# KiCad board rcbus-ymf262-panel.kicad_pcb (continued)
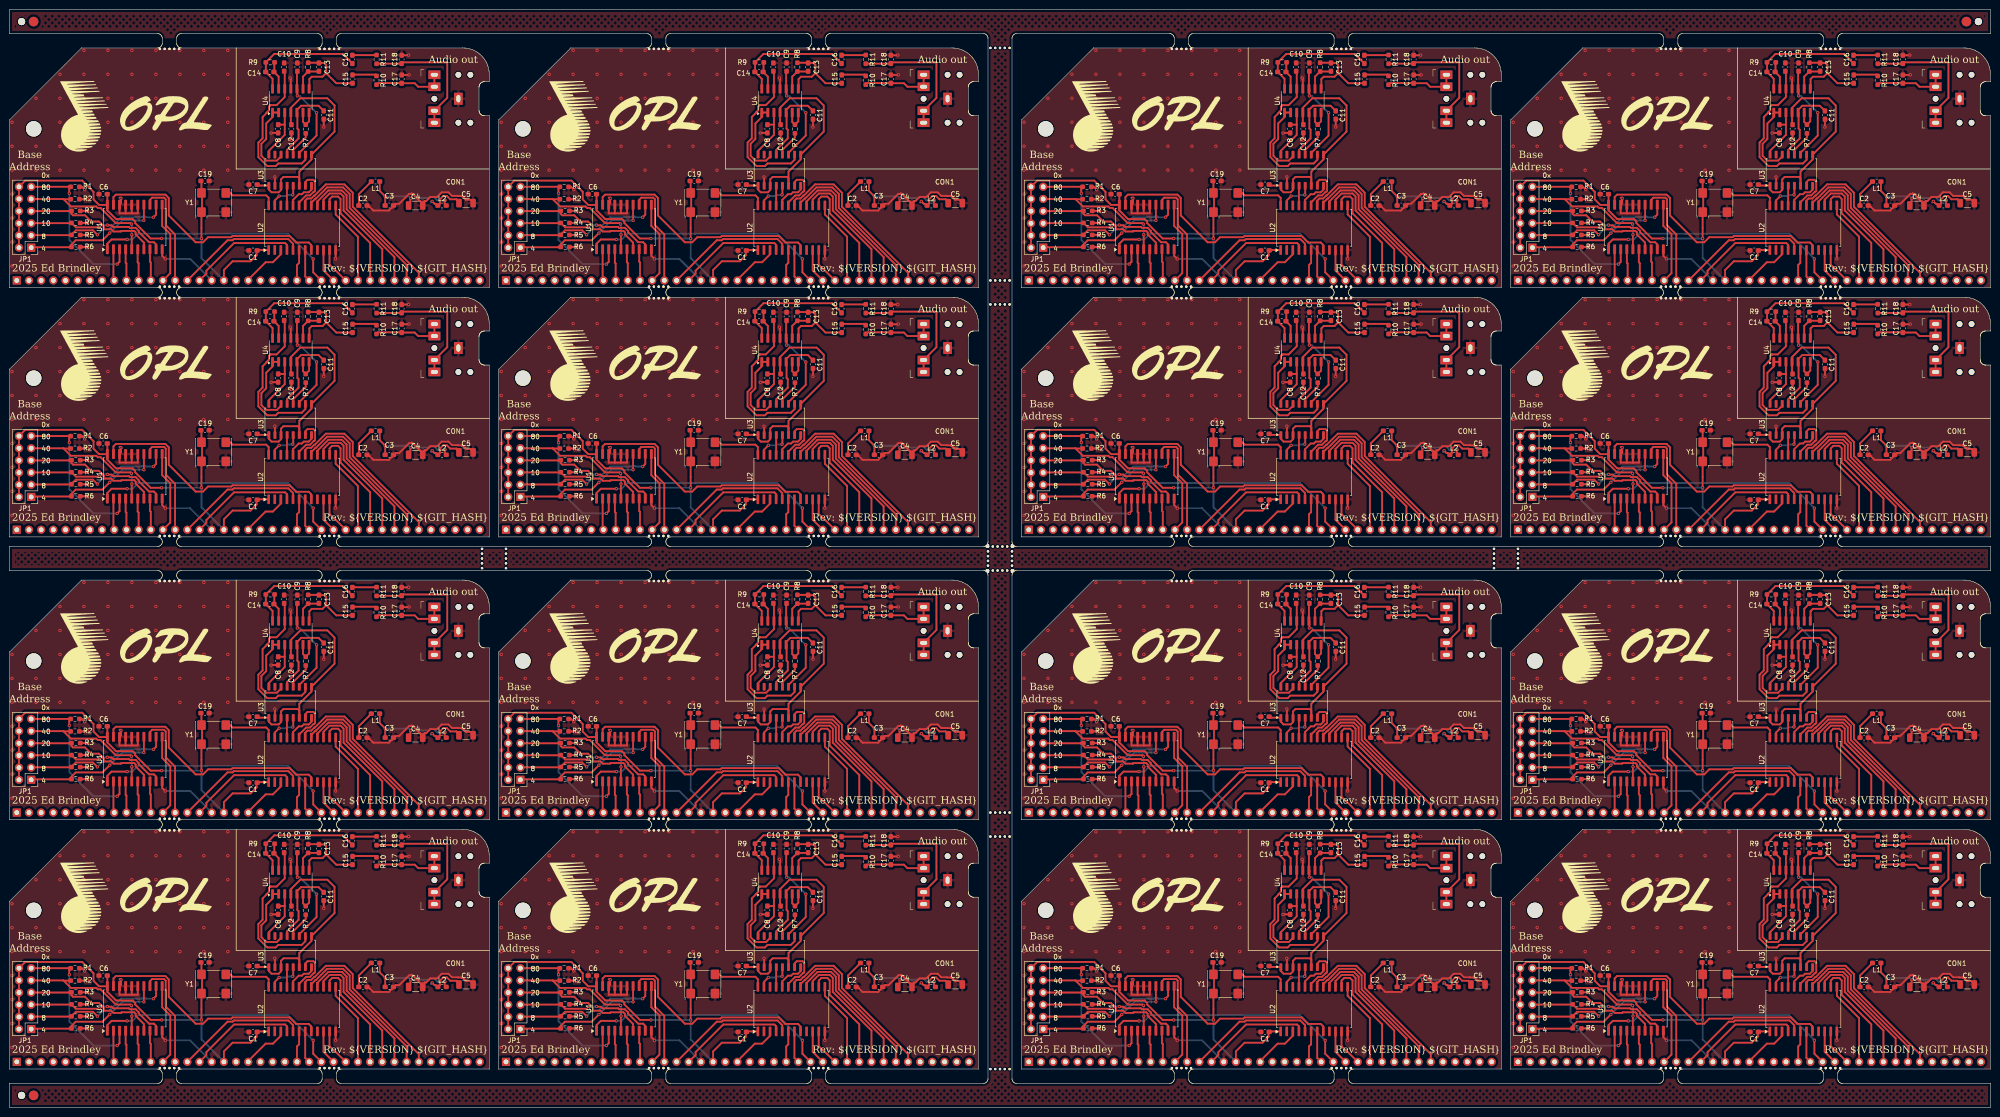
[diagram p0: board, top side]
## Nets
Board_0-+5VA: C5.1 C7.1 C12#11.1 L2#15.1 U3#12.1 U3#12.3 U3#12.6 U3#12.9 U4#15.4
Board_0-/A0: P1.16 U2#11.4
Board_0-/A1: P1.15 U2#11.5
Board_0-/A2: P1.14 U1#2.13
Board_0-/A3: P1.13 U1#2.11
Board_0-/A4: P1.12 U1#2.8
Board_0-/A5: P1.11 U1#2.6
Board_0-/A6: P1.10 U1#2.4
Board_0-/A7: P1.9 U1#2.2
Board_0-/AUDIO_CH1: C10#11.1 U3#12.10 U4#15.12
Board_0-/AUDIO_CH2: C9#9.1 U3#12.11 U4#15.10
Board_0-/CLK: U2#11.24 Y1#9.3
Board_0-/D0: P1.27 U2#11.10
Board_0-/D1: P1.28 U2#11.11
Board_0-/D2: P1.29 U2#11.13
Board_0-/D3: P1.30 U2#11.14
Board_0-/D4: P1.31 U2#11.15
Board_0-/D5: P1.32 U2#11.16
Board_0-/D6: P1.33 U2#11.17
Board_0-/D7: P1.34 U2#11.18
Board_0-/DAC_CLK: U2#11.23 U3#12.5
Board_0-/DOAB: U2#11.21 U3#12.4
Board_0-/L: C13#4.1 C15#8.1 R8#15.2 U4#15.8
Board_0-/R: C14.2 C16#13.1 R9.2 U4#15.14
Board_0-/SMPAC: U2#11.20 U3#12.8
Board_0-/SMPBD: U2#11.19 U3#12.7
Board_0-/~{CS}: U1#2.19 U2#11.8
Board_0-/~{INT}: P1.22
Board_0-/~{IORQ}: P1.26 U1#2.1
Board_0-/~{RD}: P1.25 U2#11.7
Board_0-/~{RESET}: P1.20 U2#11.3
Board_0-/~{WR}: P1.24 U2#11.6
Board_0-GND: C1#6.2 C2#6.2 C3#3.2 C4#6.2 C5.2 C6#6.2 C7.2 C8#11.2 C9#9.2 C10#11.2 C11#8.2 C12#11.2 C17.2 C18#9.2 C19#13.2 CON1#12.S P1.17 R1#13.2 R2#13.2 R3#13.2 R4.2 R5#16.2 R6#13.2 U1#2.10 U1#2.15 U1#2.16 U1#2.17 U1#2.18 U2#11.12 U3#12.2 U4#15.11 Y1#9.2
Board_0-Net-(C3-Pad1): C3#3.1 C4#6.1 L1#14.1 L2#15.2
Board_0-Net-(C15-Pad2): C15#8.2 R10#11.1
Board_0-Net-(C16-Pad2): C16#13.2 R11#2.1
Board_0-Net-(C17-Pad1): C17.1 CON1#12.T CON1#12.TN R10#11.2
Board_0-Net-(C18-Pad1): C18#9.1 CON1#12.R CON1#12.RN R11#2.2
Board_0-Net-(JP1-Pin_1): JP1#13.1 R6#13.1 U1#2.14
Board_0-Net-(JP1-Pin_3): JP1#13.3 R5#16.1 U1#2.12
Board_0-Net-(JP1-Pin_5): JP1#13.5 R4.1 U1#2.9
Board_0-Net-(JP1-Pin_7): JP1#13.7 R3#13.1 U1#2.7
Board_0-Net-(JP1-Pin_9): JP1#13.9 R2#13.1 U1#2.5
Board_0-Net-(JP1-Pin_11): JP1#13.11 R1#13.1 U1#2.3
Board_0-Net-(U3-AOUT): C11#8.1 U3#12.13 U4#15.5
Board_0-Net-(U3-CV): C8#11.1 U3#12.16 U4#15.3
Board_0-Net-(U3-MP): U3#12.14 U4#15.1 U4#15.2
Board_0-Net-(U3-SWIN): R7#4.1 U3#12.12
Board_0-Net-(U4B--): R7#4.2 U4#15.6 U4#15.7
Board_0-Net-(U4C--): C13#4.2 R8#15.1 U4#15.9
Board_0-Net-(U4D--): C14.1 R9.1 U4#15.13
Board_0-unconnected-(P1-Pin_1-Pad1): P1.1
Board_0-unconnected-(P1-Pin_2-Pad2): P1.2
Board_0-unconnected-(P1-Pin_3-Pad3): P1.3
Board_0-unconnected-(P1-Pin_4-Pad4): P1.4
Board_0-unconnected-(P1-Pin_5-Pad5): P1.5
Board_0-unconnected-(P1-Pin_6-Pad6): P1.6
Board_0-unconnected-(P1-Pin_7-Pad7): P1.7
Board_0-unconnected-(P1-Pin_8-Pad8): P1.8
Board_0-unconnected-(P1-Pin_19-Pad19): P1.19
Board_0-unconnected-(P1-Pin_21-Pad21): P1.21
Board_0-unconnected-(P1-Pin_23-Pad23): P1.23
Board_0-unconnected-(P1-Pin_35-Pad35): P1.35
Board_0-unconnected-(P1-Pin_36-Pad36): P1.36
Board_0-unconnected-(P1-Pin_37-Pad37): P1.37
Board_0-unconnected-(P1-Pin_38-Pad38): P1.38
Board_0-unconnected-(P1-Pin_39-Pad39): P1.39
Board_0-unconnected-(U2-DOCD-Pad22): U2#11.22
Board_0-unconnected-(U2-TEST-Pad9): U2#11.9
Board_0-unconnected-(U2-~{IRQ}-Pad2): U2#11.2
Board_0-unconnected-(U3-TST2-Pad15): U3#12.15
Board_0-VCC: C1#6.1 C2#6.1 C6#6.1 C19#13.1 JP1#13.2 JP1#13.4 JP1#13.6 JP1#13.8 JP1#13.10 JP1#13.12 L1#14.2 P1.18 U1#2.20 U2#11.1 Y1#9.1 Y1#9.4
Board_1-+5VA: C5#3.1 C7#14.1 C12#8.1 L2#10.1 U3#7.1 U3#7.3 U3#7.6 U3#7.9 U4#14.4
Board_1-/A0: P1#7.16 U2#16.4
Board_1-/A1: P1#7.15 U2#16.5
Board_1-/A2: P1#7.14 U1#3.13
Board_1-/A3: P1#7.13 U1#3.11
Board_1-/A4: P1#7.12 U1#3.8
Board_1-/A5: P1#7.11 U1#3.6
Board_1-/A6: P1#7.10 U1#3.4
Board_1-/A7: P1#7.9 U1#3.2
Board_1-/AUDIO_CH1: C10#15.1 U3#7.10 U4#14.12
Board_1-/AUDIO_CH2: C9#5.1 U3#7.11 U4#14.10
Board_1-/CLK: U2#16.24 Y1#7.3
Board_1-/D0: P1#7.27 U2#16.10
Board_1-/D1: P1#7.28 U2#16.11
Board_1-/D2: P1#7.29 U2#16.13
Board_1-/D3: P1#7.30 U2#16.14
Board_1-/D4: P1#7.31 U2#16.15
Board_1-/D5: P1#7.32 U2#16.16
Board_1-/D6: P1#7.33 U2#16.17
Board_1-/D7: P1#7.34 U2#16.18
Board_1-/DAC_CLK: U2#16.23 U3#7.5
Board_1-/DOAB: U2#16.21 U3#7.4
Board_1-/L: C13#7.1 C15#6.1 R8#14.2 U4#14.8
Board_1-/R: C14#13.2 C16#16.1 R9#14.2 U4#14.14
Board_1-/SMPAC: U2#16.20 U3#7.8
Board_1-/SMPBD: U2#16.19 U3#7.7
Board_1-/~{CS}: U1#3.19 U2#16.8
Board_1-/~{INT}: P1#7.22
Board_1-/~{IORQ}: P1#7.26 U1#3.1
Board_1-/~{RD}: P1#7.25 U2#16.7
Board_1-/~{RESET}: P1#7.20 U2#16.3
Board_1-/~{WR}: P1#7.24 U2#16.6
Board_1-GND: C1#4.2 C2#8.2 C3#11.2 C4#9.2 C5#3.2 C6#11.2 C7#14.2 C8#2.2 C9#5.2 C10#15.2 C11#15.2 C12#8.2 C17#6.2 C18#10.2 C19#9.2 CON1#11.S P1#7.17 R1#11.2 R2#10.2 R3#5.2 R4#5.2 R5#3.2 R6#12.2 U1#3.10 U1#3.15 U1#3.16 U1#3.17 U1#3.18 U2#16.12 U3#7.2 U4#14.11 Y1#7.2
Board_1-Net-(C3-Pad1): C3#11.1 C4#9.1 L1#15.1 L2#10.2
Board_1-Net-(C15-Pad2): C15#6.2 R10#13.1
Board_1-Net-(C16-Pad2): C16#16.2 R11#7.1
Board_1-Net-(C17-Pad1): C17#6.1 CON1#11.T CON1#11.TN R10#13.2
Board_1-Net-(C18-Pad1): C18#10.1 CON1#11.R CON1#11.RN R11#7.2
Board_1-Net-(JP1-Pin_1): JP1#4.1 R6#12.1 U1#3.14
Board_1-Net-(JP1-Pin_3): JP1#4.3 R5#3.1 U1#3.12
Board_1-Net-(JP1-Pin_5): JP1#4.5 R4#5.1 U1#3.9
Board_1-Net-(JP1-Pin_7): JP1#4.7 R3#5.1 U1#3.7
Board_1-Net-(JP1-Pin_9): JP1#4.9 R2#10.1 U1#3.5
Board_1-Net-(JP1-Pin_11): JP1#4.11 R1#11.1 U1#3.3
Board_1-Net-(U3-AOUT): C11#15.1 U3#7.13 U4#14.5
Board_1-Net-(U3-CV): C8#2.1 U3#7.16 U4#14.3
Board_1-Net-(U3-MP): U3#7.14 U4#14.1 U4#14.2
Board_1-Net-(U3-SWIN): R7#7.1 U3#7.12
Board_1-Net-(U4B--): R7#7.2 U4#14.6 U4#14.7
Board_1-Net-(U4C--): C13#7.2 R8#14.1 U4#14.9
Board_1-Net-(U4D--): C14#13.1 R9#14.1 U4#14.13
Board_1-unconnected-(P1-Pin_1-Pad1): P1#7.1
Board_1-unconnected-(P1-Pin_2-Pad2): P1#7.2
Board_1-unconnected-(P1-Pin_3-Pad3): P1#7.3
Board_1-unconnected-(P1-Pin_4-Pad4): P1#7.4
Board_1-unconnected-(P1-Pin_5-Pad5): P1#7.5
Board_1-unconnected-(P1-Pin_6-Pad6): P1#7.6
Board_1-unconnected-(P1-Pin_7-Pad7): P1#7.7
Board_1-unconnected-(P1-Pin_8-Pad8): P1#7.8
Board_1-unconnected-(P1-Pin_19-Pad19): P1#7.19
Board_1-unconnected-(P1-Pin_21-Pad21): P1#7.21
Board_1-unconnected-(P1-Pin_23-Pad23): P1#7.23
Board_1-unconnected-(P1-Pin_35-Pad35): P1#7.35
Board_1-unconnected-(P1-Pin_36-Pad36): P1#7.36
Board_1-unconnected-(P1-Pin_37-Pad37): P1#7.37
Board_1-unconnected-(P1-Pin_38-Pad38): P1#7.38
Board_1-unconnected-(P1-Pin_39-Pad39): P1#7.39
Board_1-unconnected-(U2-DOCD-Pad22): U2#16.22
Board_1-unconnected-(U2-TEST-Pad9): U2#16.9
Board_1-unconnected-(U2-~{IRQ}-Pad2): U2#16.2
Board_1-unconnected-(U3-TST2-Pad15): U3#7.15
Board_1-VCC: C1#4.1 C2#8.1 C6#11.1 C19#9.1 JP1#4.2 JP1#4.4 JP1#4.6 JP1#4.8 JP1#4.10 JP1#4.12 L1#15.2 P1#7.18 U1#3.20 U2#16.1 Y1#7.1 Y1#7.4
Board_2-+5VA: C5#5.1 C7#3.1 C12#2.1 L2#4.1 U3#4.1 U3#4.3 U3#4.6 U3#4.9 U4.4
Board_2-/A0: P1#5.16 U2.4
Board_2-/A1: P1#5.15 U2.5
Board_2-/A2: P1#5.14 U1#14.13
Board_2-/A3: P1#5.13 U1#14.11
Board_2-/A4: P1#5.12 U1#14.8
Board_2-/A5: P1#5.11 U1#14.6
Board_2-/A6: P1#5.10 U1#14.4
Board_2-/A7: P1#5.9 U1#14.2
Board_2-/AUDIO_CH1: C10#12.1 U3#4.10 U4.12
Board_2-/AUDIO_CH2: C9#8.1 U3#4.11 U4.10
Board_2-/CLK: U2.24 Y1#2.3
Board_2-/D0: P1#5.27 U2.10
Board_2-/D1: P1#5.28 U2.11
Board_2-/D2: P1#5.29 U2.13
Board_2-/D3: P1#5.30 U2.14
Board_2-/D4: P1#5.31 U2.15
Board_2-/D5: P1#5.32 U2.16
Board_2-/D6: P1#5.33 U2.17
Board_2-/D7: P1#5.34 U2.18
Board_2-/DAC_CLK: U2.23 U3#4.5
Board_2-/DOAB: U2.21 U3#4.4
Board_2-/L: C13#12.1 C15.1 R8#2.2 U4.8
Board_2-/R: C14#2.2 C16#4.1 R9#4.2 U4.14
Board_2-/SMPAC: U2.20 U3#4.8
Board_2-/SMPBD: U2.19 U3#4.7
Board_2-/~{CS}: U1#14.19 U2.8
Board_2-/~{INT}: P1#5.22
Board_2-/~{IORQ}: P1#5.26 U1#14.1
Board_2-/~{RD}: P1#5.25 U2.7
Board_2-/~{RESET}: P1#5.20 U2.3
Board_2-/~{WR}: P1#5.24 U2.6
Board_2-GND: C1.2 C2#7.2 C3#10.2 C4#11.2 C5#5.2 C6#8.2 C7#3.2 C8#12.2 C9#8.2 C10#12.2 C11#7.2 C12#2.2 C17#13.2 C18#13.2 C19#7.2 CON1#5.S P1#5.17 R1#5.2 R2#8.2 R3#6.2 R4#8.2 R5#9.2 R6#4.2 U1#14.10 U1#14.15 U1#14.16 U1#14.17 U1#14.18 U2.12 U3#4.2 U4.11 Y1#2.2
Board_2-Net-(C3-Pad1): C3#10.1 C4#11.1 L1#5.1 L2#4.2
Board_2-Net-(C15-Pad2): C15.2 R10#3.1
Board_2-Net-(C16-Pad2): C16#4.2 R11#3.1
Board_2-Net-(C17-Pad1): C17#13.1 CON1#5.T CON1#5.TN R10#3.2
Board_2-Net-(C18-Pad1): C18#13.1 CON1#5.R CON1#5.RN R11#3.2
Board_2-Net-(JP1-Pin_1): JP1#10.1 R6#4.1 U1#14.14
Board_2-Net-(JP1-Pin_3): JP1#10.3 R5#9.1 U1#14.12
Board_2-Net-(JP1-Pin_5): JP1#10.5 R4#8.1 U1#14.9
Board_2-Net-(JP1-Pin_7): JP1#10.7 R3#6.1 U1#14.7
Board_2-Net-(JP1-Pin_9): JP1#10.9 R2#8.1 U1#14.5
Board_2-Net-(JP1-Pin_11): JP1#10.11 R1#5.1 U1#14.3
Board_2-Net-(U3-AOUT): C11#7.1 U3#4.13 U4.5
Board_2-Net-(U3-CV): C8#12.1 U3#4.16 U4.3
Board_2-Net-(U3-MP): U3#4.14 U4.1 U4.2
Board_2-Net-(U3-SWIN): R7#15.1 U3#4.12
Board_2-Net-(U4B--): R7#15.2 U4.6 U4.7
Board_2-Net-(U4C--): C13#12.2 R8#2.1 U4.9
Board_2-Net-(U4D--): C14#2.1 R9#4.1 U4.13
Board_2-unconnected-(P1-Pin_1-Pad1): P1#5.1
Board_2-unconnected-(P1-Pin_2-Pad2): P1#5.2
Board_2-unconnected-(P1-Pin_3-Pad3): P1#5.3
Board_2-unconnected-(P1-Pin_4-Pad4): P1#5.4
Board_2-unconnected-(P1-Pin_5-Pad5): P1#5.5
Board_2-unconnected-(P1-Pin_6-Pad6): P1#5.6
Board_2-unconnected-(P1-Pin_7-Pad7): P1#5.7
Board_2-unconnected-(P1-Pin_8-Pad8): P1#5.8
Board_2-unconnected-(P1-Pin_19-Pad19): P1#5.19
Board_2-unconnected-(P1-Pin_21-Pad21): P1#5.21
Board_2-unconnected-(P1-Pin_23-Pad23): P1#5.23
Board_2-unconnected-(P1-Pin_35-Pad35): P1#5.35
Board_2-unconnected-(P1-Pin_36-Pad36): P1#5.36
Board_2-unconnected-(P1-Pin_37-Pad37): P1#5.37
Board_2-unconnected-(P1-Pin_38-Pad38): P1#5.38
Board_2-unconnected-(P1-Pin_39-Pad39): P1#5.39
Board_2-unconnected-(U2-DOCD-Pad22): U2.22
Board_2-unconnected-(U2-TEST-Pad9): U2.9
Board_2-unconnected-(U2-~{IRQ}-Pad2): U2.2
Board_2-unconnected-(U3-TST2-Pad15): U3#4.15
Board_2-VCC: C1.1 C2#7.1 C6#8.1 C19#7.1 JP1#10.2 JP1#10.4 JP1#10.6 JP1#10.8 JP1#10.10 JP1#10.12 L1#5.2 P1#5.18 U1#14.20 U2.1 Y1#2.1 Y1#2.4
Board_3-+5VA: C5#8.1 C7#12.1 C12#3.1 L2#6.1 U3#3.1 U3#3.3 U3#3.6 U3#3.9 U4#9.4
Board_3-/A0: P1#12.16 U2#7.4
Board_3-/A1: P1#12.15 U2#7.5
Board_3-/A2: P1#12.14 U1#5.13
Board_3-/A3: P1#12.13 U1#5.11
Board_3-/A4: P1#12.12 U1#5.8
Board_3-/A5: P1#12.11 U1#5.6
Board_3-/A6: P1#12.10 U1#5.4
Board_3-/A7: P1#12.9 U1#5.2
Board_3-/AUDIO_CH1: C10#7.1 U3#3.10 U4#9.12
Board_3-/AUDIO_CH2: C9#15.1 U3#3.11 U4#9.10
Board_3-/CLK: U2#7.24 Y1#14.3
Board_3-/D0: P1#12.27 U2#7.10
Board_3-/D1: P1#12.28 U2#7.11
Board_3-/D2: P1#12.29 U2#7.13
Board_3-/D3: P1#12.30 U2#7.14
Board_3-/D4: P1#12.31 U2#7.15
Board_3-/D5: P1#12.32 U2#7.16
Board_3-/D6: P1#12.33 U2#7.17
Board_3-/D7: P1#12.34 U2#7.18
Board_3-/DAC_CLK: U2#7.23 U3#3.5
Board_3-/DOAB: U2#7.21 U3#3.4
Board_3-/L: C13#13.1 C15#7.1 R8#5.2 U4#9.8
Board_3-/R: C14#11.2 C16#10.1 R9#12.2 U4#9.14
Board_3-/SMPAC: U2#7.20 U3#3.8
Board_3-/SMPBD: U2#7.19 U3#3.7
Board_3-/~{CS}: U1#5.19 U2#7.8
Board_3-/~{INT}: P1#12.22
Board_3-/~{IORQ}: P1#12.26 U1#5.1
Board_3-/~{RD}: P1#12.25 U2#7.7
Board_3-/~{RESET}: P1#12.20 U2#7.3
Board_3-/~{WR}: P1#12.24 U2#7.6
Board_3-GND: C1#15.2 C2#3.2 C3#13.2 C4#7.2 C5#8.2 C6#5.2 C7#12.2 C8.2 C9#15.2 C10#7.2 C11#10.2 C12#3.2 C17#7.2 C18#3.2 C19#2.2 CON1#6.S P1#12.17 R1#12.2 R2#4.2 R3#15.2 R4#2.2 R5#14.2 R6#5.2 U1#5.10 U1#5.15 U1#5.16 U1#5.17 U1#5.18 U2#7.12 U3#3.2 U4#9.11 Y1#14.2
Board_3-Net-(C3-Pad1): C3#13.1 C4#7.1 L1#10.1 L2#6.2
Board_3-Net-(C15-Pad2): C15#7.2 R10#14.1
Board_3-Net-(C16-Pad2): C16#10.2 R11#6.1
Board_3-Net-(C17-Pad1): C17#7.1 CON1#6.T CON1#6.TN R10#14.2
Board_3-Net-(C18-Pad1): C18#3.1 CON1#6.R CON1#6.RN R11#6.2
Board_3-Net-(JP1-Pin_1): JP1#15.1 R6#5.1 U1#5.14
Board_3-Net-(JP1-Pin_3): JP1#15.3 R5#14.1 U1#5.12
Board_3-Net-(JP1-Pin_5): JP1#15.5 R4#2.1 U1#5.9
Board_3-Net-(JP1-Pin_7): JP1#15.7 R3#15.1 U1#5.7
Board_3-Net-(JP1-Pin_9): JP1#15.9 R2#4.1 U1#5.5
Board_3-Net-(JP1-Pin_11): JP1#15.11 R1#12.1 U1#5.3
Board_3-Net-(U3-AOUT): C11#10.1 U3#3.13 U4#9.5
Board_3-Net-(U3-CV): C8.1 U3#3.16 U4#9.3
Board_3-Net-(U3-MP): U3#3.14 U4#9.1 U4#9.2
Board_3-Net-(U3-SWIN): R7#13.1 U3#3.12
Board_3-Net-(U4B--): R7#13.2 U4#9.6 U4#9.7
Board_3-Net-(U4C--): C13#13.2 R8#5.1 U4#9.9
Board_3-Net-(U4D--): C14#11.1 R9#12.1 U4#9.13
Board_3-unconnected-(P1-Pin_1-Pad1): P1#12.1
Board_3-unconnected-(P1-Pin_2-Pad2): P1#12.2
Board_3-unconnected-(P1-Pin_3-Pad3): P1#12.3
Board_3-unconnected-(P1-Pin_4-Pad4): P1#12.4
Board_3-unconnected-(P1-Pin_5-Pad5): P1#12.5
Board_3-unconnected-(P1-Pin_6-Pad6): P1#12.6
Board_3-unconnected-(P1-Pin_7-Pad7): P1#12.7
Board_3-unconnected-(P1-Pin_8-Pad8): P1#12.8
Board_3-unconnected-(P1-Pin_19-Pad19): P1#12.19
Board_3-unconnected-(P1-Pin_21-Pad21): P1#12.21
Board_3-unconnected-(P1-Pin_23-Pad23): P1#12.23
Board_3-unconnected-(P1-Pin_35-Pad35): P1#12.35
Board_3-unconnected-(P1-Pin_36-Pad36): P1#12.36
Board_3-unconnected-(P1-Pin_37-Pad37): P1#12.37
Board_3-unconnected-(P1-Pin_38-Pad38): P1#12.38
Board_3-unconnected-(P1-Pin_39-Pad39): P1#12.39
Board_3-unconnected-(U2-DOCD-Pad22): U2#7.22
Board_3-unconnected-(U2-TEST-Pad9): U2#7.9
Board_3-unconnected-(U2-~{IRQ}-Pad2): U2#7.2
Board_3-unconnected-(U3-TST2-Pad15): U3#3.15
Board_3-VCC: C1#15.1 C2#3.1 C6#5.1 C19#2.1 JP1#15.2 JP1#15.4 JP1#15.6 JP1#15.8 JP1#15.10 JP1#15.12 L1#10.2 P1#12.18 U1#5.20 U2#7.1 Y1#14.1 Y1#14.4
Board_4-+5VA: C5#2.1 C7#16.1 C12.1 L2#3.1 U3#15.1 U3#15.3 U3#15.6 U3#15.9 U4#5.4
Board_4-/A0: P1#16.16 U2#14.4
Board_4-/A1: P1#16.15 U2#14.5
Board_4-/A2: P1#16.14 U1#10.13
Board_4-/A3: P1#16.13 U1#10.11
Board_4-/A4: P1#16.12 U1#10.8
Board_4-/A5: P1#16.11 U1#10.6
Board_4-/A6: P1#16.10 U1#10.4
Board_4-/A7: P1#16.9 U1#10.2
Board_4-/AUDIO_CH1: C10#14.1 U3#15.10 U4#5.12
Board_4-/AUDIO_CH2: C9#3.1 U3#15.11 U4#5.10
Board_4-/CLK: U2#14.24 Y1#3.3
Board_4-/D0: P1#16.27 U2#14.10
Board_4-/D1: P1#16.28 U2#14.11
Board_4-/D2: P1#16.29 U2#14.13
Board_4-/D3: P1#16.30 U2#14.14
Board_4-/D4: P1#16.31 U2#14.15
Board_4-/D5: P1#16.32 U2#14.16
Board_4-/D6: P1#16.33 U2#14.17
Board_4-/D7: P1#16.34 U2#14.18
Board_4-/DAC_CLK: U2#14.23 U3#15.5
Board_4-/DOAB: U2#14.21 U3#15.4
Board_4-/L: C13#9.1 C15#13.1 R8#8.2 U4#5.8
Board_4-/R: C14#4.2 C16#11.1 R9#2.2 U4#5.14
Board_4-/SMPAC: U2#14.20 U3#15.8
Board_4-/SMPBD: U2#14.19 U3#15.7
Board_4-/~{CS}: U1#10.19 U2#14.8
Board_4-/~{INT}: P1#16.22
Board_4-/~{IORQ}: P1#16.26 U1#10.1
Board_4-/~{RD}: P1#16.25 U2#14.7
Board_4-/~{RESET}: P1#16.20 U2#14.3
Board_4-/~{WR}: P1#16.24 U2#14.6
Board_4-GND: C1#13.2 C2#4.2 C3#7.2 C4#5.2 C5#2.2 C6#16.2 C7#16.2 C8#15.2 C9#3.2 C10#14.2 C11.2 C12.2 C17#9.2 C18.2 C19#12.2 CON1#3.S P1#16.17 R1#16.2 R2#2.2 R3#2.2 R4#16.2 R5.2 R6#9.2 U1#10.10 U1#10.15 U1#10.16 U1#10.17 U1#10.18 U2#14.12 U3#15.2 U4#5.11 Y1#3.2
Board_4-Net-(C3-Pad1): C3#7.1 C4#5.1 L1#2.1 L2#3.2
Board_4-Net-(C15-Pad2): C15#13.2 R10#2.1
Board_4-Net-(C16-Pad2): C16#11.2 R11#13.1
Board_4-Net-(C17-Pad1): C17#9.1 CON1#3.T CON1#3.TN R10#2.2
Board_4-Net-(C18-Pad1): C18.1 CON1#3.R CON1#3.RN R11#13.2
Board_4-Net-(JP1-Pin_1): JP1#11.1 R6#9.1 U1#10.14
Board_4-Net-(JP1-Pin_3): JP1#11.3 R5.1 U1#10.12
Board_4-Net-(JP1-Pin_5): JP1#11.5 R4#16.1 U1#10.9
Board_4-Net-(JP1-Pin_7): JP1#11.7 R3#2.1 U1#10.7
Board_4-Net-(JP1-Pin_9): JP1#11.9 R2#2.1 U1#10.5
Board_4-Net-(JP1-Pin_11): JP1#11.11 R1#16.1 U1#10.3
Board_4-Net-(U3-AOUT): C11.1 U3#15.13 U4#5.5
Board_4-Net-(U3-CV): C8#15.1 U3#15.16 U4#5.3
Board_4-Net-(U3-MP): U3#15.14 U4#5.1 U4#5.2
Board_4-Net-(U3-SWIN): R7#6.1 U3#15.12
Board_4-Net-(U4B--): R7#6.2 U4#5.6 U4#5.7
Board_4-Net-(U4C--): C13#9.2 R8#8.1 U4#5.9
Board_4-Net-(U4D--): C14#4.1 R9#2.1 U4#5.13
Board_4-unconnected-(P1-Pin_1-Pad1): P1#16.1
Board_4-unconnected-(P1-Pin_2-Pad2): P1#16.2
Board_4-unconnected-(P1-Pin_3-Pad3): P1#16.3
Board_4-unconnected-(P1-Pin_4-Pad4): P1#16.4
Board_4-unconnected-(P1-Pin_5-Pad5): P1#16.5
Board_4-unconnected-(P1-Pin_6-Pad6): P1#16.6
Board_4-unconnected-(P1-Pin_7-Pad7): P1#16.7
Board_4-unconnected-(P1-Pin_8-Pad8): P1#16.8
Board_4-unconnected-(P1-Pin_19-Pad19): P1#16.19
Board_4-unconnected-(P1-Pin_21-Pad21): P1#16.21
Board_4-unconnected-(P1-Pin_23-Pad23): P1#16.23
Board_4-unconnected-(P1-Pin_35-Pad35): P1#16.35
Board_4-unconnected-(P1-Pin_36-Pad36): P1#16.36
Board_4-unconnected-(P1-Pin_37-Pad37): P1#16.37
Board_4-unconnected-(P1-Pin_38-Pad38): P1#16.38
Board_4-unconnected-(P1-Pin_39-Pad39): P1#16.39
Board_4-unconnected-(U2-DOCD-Pad22): U2#14.22
Board_4-unconnected-(U2-TEST-Pad9): U2#14.9
Board_4-unconnected-(U2-~{IRQ}-Pad2): U2#14.2
Board_4-unconnected-(U3-TST2-Pad15): U3#15.15
Board_4-VCC: C1#13.1 C2#4.1 C6#16.1 C19#12.1 JP1#11.2 JP1#11.4 JP1#11.6 JP1#11.8 JP1#11.10 JP1#11.12 L1#2.2 P1#16.18 U1#10.20 U2#14.1 Y1#3.1 Y1#3.4
Board_5-+5VA: C5#15.1 C7#5.1 C12#14.1 L2#5.1 U3#6.1 U3#6.3 U3#6.6 U3#6.9 U4#12.4
Board_5-/A0: P1#4.16 U2#15.4
Board_5-/A1: P1#4.15 U2#15.5
Board_5-/A2: P1#4.14 U1#7.13
Board_5-/A3: P1#4.13 U1#7.11
Board_5-/A4: P1#4.12 U1#7.8
Board_5-/A5: P1#4.11 U1#7.6
Board_5-/A6: P1#4.10 U1#7.4
Board_5-/A7: P1#4.9 U1#7.2
Board_5-/AUDIO_CH1: C10#3.1 U3#6.10 U4#12.12
Board_5-/AUDIO_CH2: C9#6.1 U3#6.11 U4#12.10
Board_5-/CLK: U2#15.24 Y1#13.3
Board_5-/D0: P1#4.27 U2#15.10
Board_5-/D1: P1#4.28 U2#15.11
Board_5-/D2: P1#4.29 U2#15.13
Board_5-/D3: P1#4.30 U2#15.14
Board_5-/D4: P1#4.31 U2#15.15
Board_5-/D5: P1#4.32 U2#15.16
Board_5-/D6: P1#4.33 U2#15.17
Board_5-/D7: P1#4.34 U2#15.18
Board_5-/DAC_CLK: U2#15.23 U3#6.5
Board_5-/DOAB: U2#15.21 U3#6.4
Board_5-/L: C13#14.1 C15#2.1 R8#4.2 U4#12.8
Board_5-/R: C14#12.2 C16.1 R9#3.2 U4#12.14
Board_5-/SMPAC: U2#15.20 U3#6.8
Board_5-/SMPBD: U2#15.19 U3#6.7
Board_5-/~{CS}: U1#7.19 U2#15.8
Board_5-/~{INT}: P1#4.22
Board_5-/~{IORQ}: P1#4.26 U1#7.1
Board_5-/~{RD}: P1#4.25 U2#15.7
Board_5-/~{RESET}: P1#4.20 U2#15.3
Board_5-/~{WR}: P1#4.24 U2#15.6
Board_5-GND: C1#2.2 C2#13.2 C3#15.2 C4#4.2 C5#15.2 C6#14.2 C7#5.2 C8#10.2 C9#6.2 C10#3.2 C11#6.2 C12#14.2 C17#14.2 C18#2.2 C19#10.2 CON1#15.S P1#4.17 R1#6.2 R2#14.2 R3.2 R4#4.2 R5#5.2 R6#10.2 U1#7.10 U1#7.15 U1#7.16 U1#7.17 U1#7.18 U2#15.12 U3#6.2 U4#12.11 Y1#13.2
Board_5-Net-(C3-Pad1): C3#15.1 C4#4.1 L1#9.1 L2#5.2
Board_5-Net-(C15-Pad2): C15#2.2 R10#4.1
Board_5-Net-(C16-Pad2): C16.2 R11#5.1
Board_5-Net-(C17-Pad1): C17#14.1 CON1#15.T CON1#15.TN R10#4.2
Board_5-Net-(C18-Pad1): C18#2.1 CON1#15.R CON1#15.RN R11#5.2
Board_5-Net-(JP1-Pin_1): JP1#7.1 R6#10.1 U1#7.14
Board_5-Net-(JP1-Pin_3): JP1#7.3 R5#5.1 U1#7.12
Board_5-Net-(JP1-Pin_5): JP1#7.5 R4#4.1 U1#7.9
Board_5-Net-(JP1-Pin_7): JP1#7.7 R3.1 U1#7.7
Board_5-Net-(JP1-Pin_9): JP1#7.9 R2#14.1 U1#7.5
Board_5-Net-(JP1-Pin_11): JP1#7.11 R1#6.1 U1#7.3
Board_5-Net-(U3-AOUT): C11#6.1 U3#6.13 U4#12.5
Board_5-Net-(U3-CV): C8#10.1 U3#6.16 U4#12.3
Board_5-Net-(U3-MP): U3#6.14 U4#12.1 U4#12.2
Board_5-Net-(U3-SWIN): R7#14.1 U3#6.12
Board_5-Net-(U4B--): R7#14.2 U4#12.6 U4#12.7
Board_5-Net-(U4C--): C13#14.2 R8#4.1 U4#12.9
Board_5-Net-(U4D--): C14#12.1 R9#3.1 U4#12.13
Board_5-unconnected-(P1-Pin_1-Pad1): P1#4.1
Board_5-unconnected-(P1-Pin_2-Pad2): P1#4.2
Board_5-unconnected-(P1-Pin_3-Pad3): P1#4.3
Board_5-unconnected-(P1-Pin_4-Pad4): P1#4.4
Board_5-unconnected-(P1-Pin_5-Pad5): P1#4.5
Board_5-unconnected-(P1-Pin_6-Pad6): P1#4.6
Board_5-unconnected-(P1-Pin_7-Pad7): P1#4.7
Board_5-unconnected-(P1-Pin_8-Pad8): P1#4.8
Board_5-unconnected-(P1-Pin_19-Pad19): P1#4.19
Board_5-unconnected-(P1-Pin_21-Pad21): P1#4.21
Board_5-unconnected-(P1-Pin_23-Pad23): P1#4.23
Board_5-unconnected-(P1-Pin_35-Pad35): P1#4.35
Board_5-unconnected-(P1-Pin_36-Pad36): P1#4.36
Board_5-unconnected-(P1-Pin_37-Pad37): P1#4.37
Board_5-unconnected-(P1-Pin_38-Pad38): P1#4.38
Board_5-unconnected-(P1-Pin_39-Pad39): P1#4.39
Board_5-unconnected-(U2-DOCD-Pad22): U2#15.22
Board_5-unconnected-(U2-TEST-Pad9): U2#15.9
Board_5-unconnected-(U2-~{IRQ}-Pad2): U2#15.2
Board_5-unconnected-(U3-TST2-Pad15): U3#6.15
Board_5-VCC: C1#2.1 C2#13.1 C6#14.1 C19#10.1 JP1#7.2 JP1#7.4 JP1#7.6 JP1#7.8 JP1#7.10 JP1#7.12 L1#9.2 P1#4.18 U1#7.20 U2#15.1 Y1#13.1 Y1#13.4
Board_6-+5VA: C5#12.1 C7#13.1 C12#16.1 L2#8.1 U3#5.1 U3#5.3 U3#5.6 U3#5.9 U4#11.4
Board_6-/A0: P1#13.16 U2#5.4
Board_6-/A1: P1#13.15 U2#5.5
Board_6-/A2: P1#13.14 U1#13.13
Board_6-/A3: P1#13.13 U1#13.11
Board_6-/A4: P1#13.12 U1#13.8
Board_6-/A5: P1#13.11 U1#13.6
Board_6-/A6: P1#13.10 U1#13.4
Board_6-/A7: P1#13.9 U1#13.2
Board_6-/AUDIO_CH1: C10#6.1 U3#5.10 U4#11.12
Board_6-/AUDIO_CH2: C9#14.1 U3#5.11 U4#11.10
Board_6-/CLK: U2#5.24 Y1#6.3
Board_6-/D0: P1#13.27 U2#5.10
Board_6-/D1: P1#13.28 U2#5.11
Board_6-/D2: P1#13.29 U2#5.13
Board_6-/D3: P1#13.30 U2#5.14
Board_6-/D4: P1#13.31 U2#5.15
Board_6-/D5: P1#13.32 U2#5.16
Board_6-/D6: P1#13.33 U2#5.17
Board_6-/D7: P1#13.34 U2#5.18
Board_6-/DAC_CLK: U2#5.23 U3#5.5
Board_6-/DOAB: U2#5.21 U3#5.4
Board_6-/L: C13.1 C15#14.1 R8#13.2 U4#11.8
Board_6-/R: C14#9.2 C16#15.1 R9#16.2 U4#11.14
Board_6-/SMPAC: U2#5.20 U3#5.8
Board_6-/SMPBD: U2#5.19 U3#5.7
Board_6-/~{CS}: U1#13.19 U2#5.8
Board_6-/~{INT}: P1#13.22
Board_6-/~{IORQ}: P1#13.26 U1#13.1
Board_6-/~{RD}: P1#13.25 U2#5.7
Board_6-/~{RESET}: P1#13.20 U2#5.3
Board_6-/~{WR}: P1#13.24 U2#5.6
Board_6-GND: C1#7.2 C2#10.2 C3#2.2 C4#8.2 C5#12.2 C6.2 C7#13.2 C8#6.2 C9#14.2 C10#6.2 C11#12.2 C12#16.2 C17#5.2 C18#6.2 C19#16.2 CON1#14.S P1#13.17 R1#4.2 R2#9.2 R3#10.2 R4#10.2 R5#11.2 R6#6.2 U1#13.10 U1#13.15 U1#13.16 U1#13.17 U1#13.18 U2#5.12 U3#5.2 U4#11.11 Y1#6.2
Board_6-Net-(C3-Pad1): C3#2.1 C4#8.1 L1#8.1 L2#8.2
Board_6-Net-(C15-Pad2): C15#14.2 R10.1
Board_6-Net-(C16-Pad2): C16#15.2 R11#9.1
Board_6-Net-(C17-Pad1): C17#5.1 CON1#14.T CON1#14.TN R10.2
Board_6-Net-(C18-Pad1): C18#6.1 CON1#14.R CON1#14.RN R11#9.2
Board_6-Net-(JP1-Pin_1): JP1#9.1 R6#6.1 U1#13.14
Board_6-Net-(JP1-Pin_3): JP1#9.3 R5#11.1 U1#13.12
Board_6-Net-(JP1-Pin_5): JP1#9.5 R4#10.1 U1#13.9
Board_6-Net-(JP1-Pin_7): JP1#9.7 R3#10.1 U1#13.7
Board_6-Net-(JP1-Pin_9): JP1#9.9 R2#9.1 U1#13.5
Board_6-Net-(JP1-Pin_11): JP1#9.11 R1#4.1 U1#13.3
Board_6-Net-(U3-AOUT): C11#12.1 U3#5.13 U4#11.5
Board_6-Net-(U3-CV): C8#6.1 U3#5.16 U4#11.3
Board_6-Net-(U3-MP): U3#5.14 U4#11.1 U4#11.2
Board_6-Net-(U3-SWIN): R7#8.1 U3#5.12
Board_6-Net-(U4B--): R7#8.2 U4#11.6 U4#11.7
Board_6-Net-(U4C--): C13.2 R8#13.1 U4#11.9
Board_6-Net-(U4D--): C14#9.1 R9#16.1 U4#11.13
Board_6-unconnected-(P1-Pin_1-Pad1): P1#13.1
Board_6-unconnected-(P1-Pin_2-Pad2): P1#13.2
Board_6-unconnected-(P1-Pin_3-Pad3): P1#13.3
Board_6-unconnected-(P1-Pin_4-Pad4): P1#13.4
Board_6-unconnected-(P1-Pin_5-Pad5): P1#13.5
Board_6-unconnected-(P1-Pin_6-Pad6): P1#13.6
Board_6-unconnected-(P1-Pin_7-Pad7): P1#13.7
Board_6-unconnected-(P1-Pin_8-Pad8): P1#13.8
Board_6-unconnected-(P1-Pin_19-Pad19): P1#13.19
Board_6-unconnected-(P1-Pin_21-Pad21): P1#13.21
Board_6-unconnected-(P1-Pin_23-Pad23): P1#13.23
Board_6-unconnected-(P1-Pin_35-Pad35): P1#13.35
Board_6-unconnected-(P1-Pin_36-Pad36): P1#13.36
Board_6-unconnected-(P1-Pin_37-Pad37): P1#13.37
Board_6-unconnected-(P1-Pin_38-Pad38): P1#13.38
Board_6-unconnected-(P1-Pin_39-Pad39): P1#13.39
Board_6-unconnected-(U2-DOCD-Pad22): U2#5.22
Board_6-unconnected-(U2-TEST-Pad9): U2#5.9
Board_6-unconnected-(U2-~{IRQ}-Pad2): U2#5.2
Board_6-unconnected-(U3-TST2-Pad15): U3#5.15
Board_6-VCC: C1#7.1 C2#10.1 C6.1 C19#16.1 JP1#9.2 JP1#9.4 JP1#9.6 JP1#9.8 JP1#9.10 JP1#9.12 L1#8.2 P1#13.18 U1#13.20 U2#5.1 Y1#6.1 Y1#6.4
Board_7-+5VA: C5#6.1 C7#6.1 C12#12.1 L2#11.1 U3#10.1 U3#10.3 U3#10.6 U3#10.9 U4#6.4
Board_7-/A0: P1#2.16 U2#6.4
Board_7-/A1: P1#2.15 U2#6.5
Board_7-/A2: P1#2.14 U1#12.13
Board_7-/A3: P1#2.13 U1#12.11
Board_7-/A4: P1#2.12 U1#12.8
Board_7-/A5: P1#2.11 U1#12.6
Board_7-/A6: P1#2.10 U1#12.4
Board_7-/A7: P1#2.9 U1#12.2
Board_7-/AUDIO_CH1: C10#8.1 U3#10.10 U4#6.12
Board_7-/AUDIO_CH2: C9#12.1 U3#10.11 U4#6.10
Board_7-/CLK: U2#6.24 Y1#11.3
Board_7-/D0: P1#2.27 U2#6.10
Board_7-/D1: P1#2.28 U2#6.11
Board_7-/D2: P1#2.29 U2#6.13
Board_7-/D3: P1#2.30 U2#6.14
Board_7-/D4: P1#2.31 U2#6.15
Board_7-/D5: P1#2.32 U2#6.16
Board_7-/D6: P1#2.33 U2#6.17
Board_7-/D7: P1#2.34 U2#6.18
Board_7-/DAC_CLK: U2#6.23 U3#10.5
Board_7-/DOAB: U2#6.21 U3#10.4
Board_7-/L: C13#3.1 C15#9.1 R8#7.2 U4#6.8
Board_7-/R: C14#8.2 C16#7.1 R9#10.2 U4#6.14
Board_7-/SMPAC: U2#6.20 U3#10.8
Board_7-/SMPBD: U2#6.19 U3#10.7
Board_7-/~{CS}: U1#12.19 U2#6.8
Board_7-/~{INT}: P1#2.22
Board_7-/~{IORQ}: P1#2.26 U1#12.1
Board_7-/~{RD}: P1#2.25 U2#6.7
Board_7-/~{RESET}: P1#2.20 U2#6.3
Board_7-/~{WR}: P1#2.24 U2#6.6
Board_7-GND: C1#11.2 C2#15.2 C3#5.2 C4#15.2 C5#6.2 C6#15.2 C7#6.2 C8#5.2 C9#12.2 C10#8.2 C11#4.2 C12#12.2 C17#15.2 C18#11.2 C19.2 CON1.S P1#2.17 R1.2 R2#15.2 R3#12.2 R4#14.2 R5#6.2 R6#3.2 U1#12.10 U1#12.15 U1#12.16 U1#12.17 U1#12.18 U2#6.12 U3#10.2 U4#6.11 Y1#11.2
Board_7-Net-(C3-Pad1): C3#5.1 C4#15.1 L1.1 L2#11.2
Board_7-Net-(C15-Pad2): C15#9.2 R10#16.1
Board_7-Net-(C16-Pad2): C16#7.2 R11#11.1
Board_7-Net-(C17-Pad1): C17#15.1 CON1.T CON1.TN R10#16.2
Board_7-Net-(C18-Pad1): C18#11.1 CON1.R CON1.RN R11#11.2
Board_7-Net-(JP1-Pin_1): JP1#2.1 R6#3.1 U1#12.14
Board_7-Net-(JP1-Pin_3): JP1#2.3 R5#6.1 U1#12.12
Board_7-Net-(JP1-Pin_5): JP1#2.5 R4#14.1 U1#12.9
Board_7-Net-(JP1-Pin_7): JP1#2.7 R3#12.1 U1#12.7
Board_7-Net-(JP1-Pin_9): JP1#2.9 R2#15.1 U1#12.5
Board_7-Net-(JP1-Pin_11): JP1#2.11 R1.1 U1#12.3
Board_7-Net-(U3-AOUT): C11#4.1 U3#10.13 U4#6.5
Board_7-Net-(U3-CV): C8#5.1 U3#10.16 U4#6.3
Board_7-Net-(U3-MP): U3#10.14 U4#6.1 U4#6.2
Board_7-Net-(U3-SWIN): R7#9.1 U3#10.12
Board_7-Net-(U4B--): R7#9.2 U4#6.6 U4#6.7
Board_7-Net-(U4C--): C13#3.2 R8#7.1 U4#6.9
Board_7-Net-(U4D--): C14#8.1 R9#10.1 U4#6.13
Board_7-unconnected-(P1-Pin_1-Pad1): P1#2.1
Board_7-unconnected-(P1-Pin_2-Pad2): P1#2.2
Board_7-unconnected-(P1-Pin_3-Pad3): P1#2.3
Board_7-unconnected-(P1-Pin_4-Pad4): P1#2.4
Board_7-unconnected-(P1-Pin_5-Pad5): P1#2.5
